# KiCad board rabbit_mask_capacitors_right.kicad_pcb (continued)
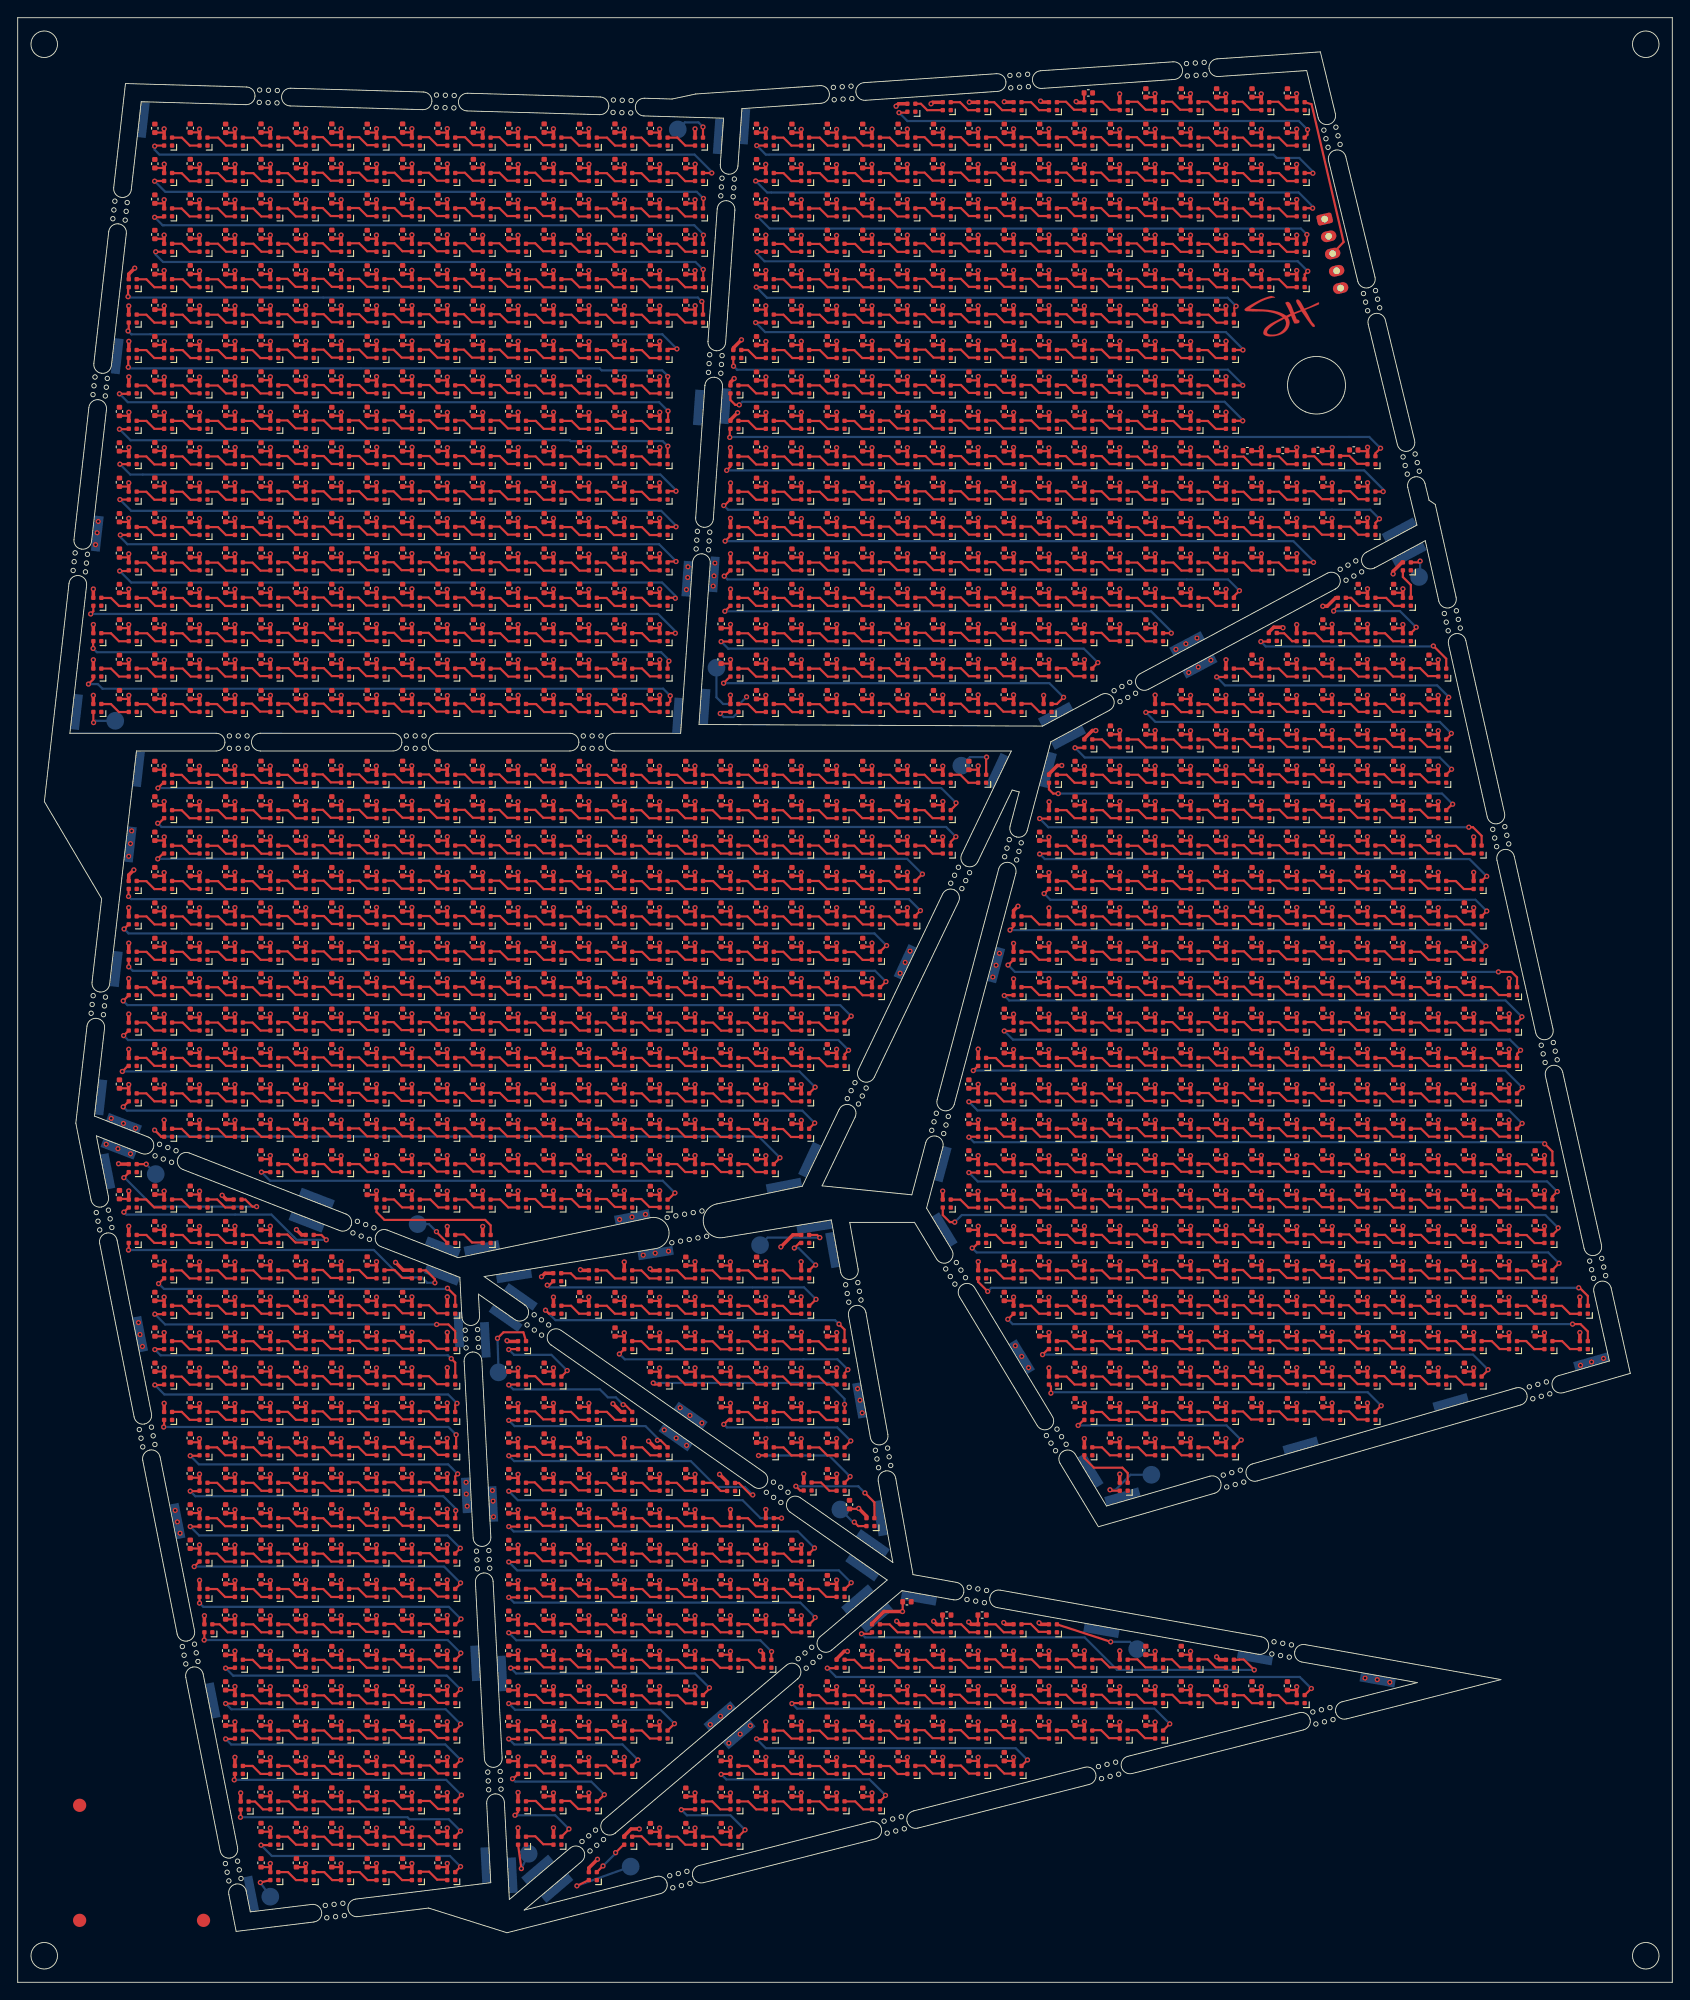
[diagram p0: board, top side]
## Nets (continued)
GND: C1485.2 C1485#2.2 C1485#3.2 C1485#4.2 C1485#5.2 C1485#6.2 C1485#7.2 C1485#8.2 C1485#9.2 C1485#10.2 C1485#11.2 C1485#12.2 C1485#13.2 C1485#14.2 C1485#15.2 C1485#16.2 C1485#17.2 C1485#18.2 C1485#19.2 C1485#20.2 C1485#21.2 C1485#22.2 C1485#23.2 C1485#24.2 C1485#25.2 C1485#26.2 C1485#27.2 C1485#28.2 C1485#29.2 C1485#30.2 C1485#31.2 C1485#32.2 C1485#33.2 C1485#34.2 C1485#35.2 C1485#36.2 C1485#37.2 C1485#38.2 C1485#39.2 C1485#40.2 C1485#41.2 C1485#42.2 C1485#43.2 C1485#44.2 C1485#45.2 C1485#46.2 C1485#47.2 C1485#48.2 C1485#49.2 C1485#50.2 C1485#51.2 C1485#52.2 C1485#53.2 C1485#54.2 C1485#55.2 C1485#56.2 C1485#57.2 C1485#58.2 C1485#59.2 C1485#60.2 C1485#61.2 C1485#62.2 C1485#63.2 C1485#64.2 C1485#65.2 C1485#66.2 C1485#67.2 C1485#68.2 C1485#69.2 C1485#70.2 C1485#71.2 C1485#72.2 C1485#73.2 C1485#74.2 C1485#75.2 C1485#76.2 C1485#77.2 C1485#78.2 C1485#79.2 C1485#80.2 C1485#81.2 C1485#82.2 C1485#83.2 C1485#84.2 C1485#85.2 C1485#86.2 C1485#87.2 C1485#88.2 C1485#89.2 C1485#90.2 C1485#91.2 C1485#92.2 C1485#93.2 C1485#94.2 C1485#95.2 C1485#96.2 C1485#97.2 C1485#98.2 C1485#99.2 C1485#100.2 C1485#101.2 C1485#102.2 C1485#103.2 C1485#104.2 C1485#105.2 C1485#106.2 C1485#107.2 C1485#108.2 C1485#109.2 C1485#110.2 C1485#111.2 C1485#112.2 C1485#113.2 C1485#114.2 C1485#115.2 C1485#116.2 C1485#117.2 C1485#118.2 C1485#119.2 C1485#120.2 C1485#121.2 C1485#122.2 C1485#123.2 C1485#124.2 C1485#125.2 C1485#126.2 C1485#127.2 C1485#128.2 C1485#129.2 C1485#130.2 C1485#131.2 C1485#132.2 C1485#133.2 C1485#134.2 C1485#135.2 C1485#136.2 C1485#137.2 C1485#138.2 C1485#139.2 C1485#140.2 C1485#141.2 C1485#142.2 C1485#143.2 C1485#144.2 C1485#145.2 C1485#146.2 C1485#147.2 C1485#148.2 C1485#149.2 C1485#150.2 C1485#151.2 C1485#152.2 C1485#153.2 C1485#154.2 C1485#155.2 C1485#156.2 C1485#157.2 C1485#158.2 C1485#159.2 C1485#160.2 C1485#161.2 C1485#162.2 C1485#163.2 C1485#164.2 C1485#165.2 C1485#166.2 C1485#167.2 C1485#168.2 C1485#169.2 C1485#170.2 C1485#171.2 C1485#172.2 C1485#173.2 C1485#174.2 C1485#175.2 C1485#176.2 C1485#177.2 C1485#178.2 C1485#179.2 C1485#180.2 C1485#181.2 C1485#182.2 C1485#183.2 C1485#184.2 C1485#185.2 C1485#186.2 C1485#187.2 C1485#188.2 C1485#189.2 C1485#190.2 C1485#191.2 C1485#192.2 C1485#193.2 C1485#194.2 C1485#195.2 C1485#196.2 C1485#197.2 C1485#198.2 C1485#199.2 C1485#200.2 C1485#201.2 C1485#202.2 C1485#203.2 C1485#204.2 C1485#205.2 C1485#206.2 C1485#207.2 C1485#208.2 C1485#209.2 C1485#210.2 C1485#211.2 C1485#212.2 C1485#213.2 C1485#214.2 C1485#215.2 C1485#216.2 C1485#217.2 C1485#218.2 C1485#219.2 C1485#220.2 C1485#221.2 C1485#222.2 C1485#223.2 C1485#224.2 C1485#225.2 C1485#226.2 C1485#227.2 C1485#228.2 C1485#229.2 C1485#230.2 C1485#231.2 C1485#232.2 C1485#233.2 C1485#234.2 C1485#235.2 C1485#236.2 C1485#237.2 C1485#238.2 C1485#239.2 C1485#240.2 C1485#241.2 C1485#242.2 C1485#243.2 C1485#244.2 C1485#245.2 C1485#246.2 C1485#247.2 C1485#248.2 C1485#249.2 C1485#250.2 C1485#251.2 C1485#252.2 C1485#253.2 C1485#254.2 C1485#255.2 C1485#256.2 C1485#257.2 C1485#258.2 C1485#259.2 C1485#260.2 C1485#261.2 C1485#262.2 C1485#263.2 C1485#264.2 C1485#265.2 C1485#266.2 C1485#267.2 C1485#268.2 C1485#269.2 C1485#270.2 C1485#271.2 C1485#272.2 C1485#273.2 C1485#274.2 C1485#275.2 C1485#276.2 C1485#277.2 C1485#278.2 C1485#279.2 C1485#280.2 C1485#281.2 C1485#282.2 C1485#283.2 C1485#284.2 C1485#285.2 C1485#286.2 C1485#287.2 C1485#288.2 C1485#289.2 C1485#290.2 C1485#291.2 C1485#292.2 C1485#293.2 C1485#294.2 C1485#295.2 C1485#296.2 C1485#297.2 C1485#298.2 C1485#299.2 C1485#300.2 C1485#301.2 C1485#302.2 C1485#303.2 C1485#304.2 C1485#305.2 C1485#306.2 C1485#307.2 C1485#308.2 C1485#309.2 C1485#310.2 C1485#311.2 C1485#312.2 C1485#313.2 C1485#314.2 C1485#315.2 C1485#316.2 C1485#317.2 C1485#318.2 C1485#319.2 C1485#320.2 C1485#321.2 C1485#322.2 C1485#323.2 C1485#324.2 C1485#325.2 C1485#326.2 C1485#327.2 C1485#328.2 C1485#329.2 C1485#330.2 C1485#331.2 C1485#332.2 C1485#333.2 C1485#334.2 C1485#335.2 C1485#336.2 C1485#337.2 C1485#338.2 C1485#339.2 C1485#340.2 C1485#341.2 C1485#342.2 C1485#343.2 C1485#344.2 C1485#345.2 C1485#346.2 C1485#347.2 C1485#348.2 C1485#349.2 C1485#350.2 C1485#351.2 C1485#352.2 C1485#353.2 C1485#354.2 C1485#355.2 C1485#356.2 C1485#357.2 C1485#358.2 C1485#359.2 C1485#360.2 C1485#361.2 C1485#362.2 C1485#363.2 C1485#364.2 C1485#365.2 C1485#366.2 C1485#367.2 C1485#368.2 C1485#369.2 C1485#370.2 C1485#371.2 C1485#372.2 C1485#373.2 C1485#374.2 C1485#375.2 C1485#376.2 C1485#377.2 C1485#378.2 C1485#379.2 C1485#380.2 C1485#381.2 C1485#382.2 C1485#383.2 C1485#384.2 C1485#385.2 C1485#386.2 C1485#387.2 C1485#388.2 C1485#389.2 C1485#390.2 C1485#391.2 C1485#392.2 C1485#393.2 C1485#394.2 C1485#395.2 C1485#396.2 C1485#397.2 C1485#398.2 C1485#399.2 C1485#400.2 C1485#401.2 C1485#402.2 C1485#403.2 C1485#404.2 C1485#405.2 C1485#406.2 C1485#407.2 C1485#408.2 C1485#409.2 C1485#410.2 C1485#411.2 C1485#412.2 C1485#413.2 C1485#414.2 C1485#415.2 C1485#416.2 C1485#417.2 C1485#418.2 C1485#419.2 C1485#420.2 C1485#421.2 C1485#422.2 C1485#423.2 C1485#424.2 C1485#425.2 C1485#426.2 C1485#427.2 C1485#428.2 C1485#429.2 C1485#430.2 C1485#431.2 C1485#432.2 C1485#433.2 C1485#434.2 C1485#435.2 C1485#436.2 C1485#437.2 C1485#438.2 C1485#439.2 C1485#440.2 C1485#441.2 C1485#442.2 C1485#443.2 C1485#444.2 C1485#445.2 C1485#446.2 C1485#447.2 C1485#448.2 C1485#449.2 C1485#450.2 C1485#451.2 C1485#452.2 C1485#453.2 C1485#454.2 C1485#455.2 C1485#456.2 C1485#457.2 C1485#458.2 C1485#459.2 C1485#460.2 C1485#461.2 C1485#462.2 C1485#463.2 C1485#464.2 C1485#465.2 C1485#466.2 C1485#467.2 C1485#468.2 C1485#469.2 C1485#470.2 C1485#471.2 C1485#472.2 C1485#473.2 C1485#474.2 C1485#475.2 C1485#476.2 C1485#477.2 C1485#478.2 C1485#479.2 C1485#480.2 C1485#481.2 C1485#482.2 C1485#483.2 C1485#484.2 C1485#485.2 C1485#486.2 C1485#487.2 C1485#488.2 C1485#489.2 C1485#490.2 C1485#491.2 C1485#492.2 C1485#493.2 C1485#494.2 C1485#495.2 C1485#496.2 C1485#497.2 C1485#498.2 C1485#499.2 C1485#500.2 C1485#501.2 C1485#502.2 C1485#503.2 C1485#504.2 C1485#505.2 C1485#506.2 C1485#507.2 C1485#508.2 C1485#509.2 C1485#510.2 C1485#511.2 C1485#512.2 C1485#513.2 C1485#514.2 C1485#515.2 C1485#516.2 C1485#517.2 C1485#518.2 C1485#519.2 C1485#520.2 C1485#521.2 C1485#522.2 C1485#523.2 C1485#524.2 C1485#525.2 C1485#526.2 C1485#527.2 C1485#528.2 C1485#529.2 C1485#530.2 C1485#531.2 C1485#532.2 C1485#533.2 C1485#534.2 C1485#535.2 C1485#536.2 C1485#537.2 C1485#538.2 C1485#539.2 C1485#540.2 C1485#541.2 C1485#542.2 C1485#543.2 C1485#544.2 C1485#545.2 C1485#546.2 C1485#547.2 C1485#548.2 C1485#549.2 C1485#550.2 C1485#551.2 C1485#552.2 C1485#553.2 C1485#554.2 C1485#555.2 C1485#556.2 C1485#557.2 C1485#558.2 C1485#559.2 C1485#560.2 C1485#561.2 C1485#562.2 C1485#563.2 C1485#564.2 C1485#565.2 C1485#566.2 C1485#567.2 C1485#568.2 C1485#569.2 C1485#570.2 C1485#571.2 C1485#572.2 C1485#573.2 C1485#574.2 C1485#575.2 C1485#576.2 C1485#577.2 C1485#578.2 C1485#579.2 C1485#580.2 C1485#581.2 C1485#582.2 C1485#583.2 C1485#584.2 C1485#585.2 C1485#586.2 C1485#587.2 C1485#588.2 C1485#589.2 C1485#590.2 C1485#591.2 C1485#592.2 C1485#593.2 C1485#594.2 C1485#595.2 C1485#596.2 C1485#597.2 C1485#598.2 C1485#599.2 C1485#600.2 C1485#601.2 C1485#602.2 C1485#603.2 C1485#604.2 C1485#605.2 C1485#606.2 C1485#607.2 C1485#608.2 C1485#609.2 C1485#610.2 C1485#611.2 C1485#612.2 C1485#613.2 C1485#614.2 C1485#615.2 C1485#616.2 C1485#617.2 C1485#618.2 C1485#619.2 C1485#620.2 C1485#621.2 C1485#622.2 C1485#623.2 C1485#624.2 C1485#625.2 C1485#626.2 C1485#627.2 C1485#628.2 C1485#629.2 C1485#630.2 C1485#631.2 C1485#632.2 C1485#633.2 C1485#634.2 C1485#635.2 C1485#636.2 C1485#637.2 C1485#638.2 C1485#639.2 C1485#640.2 C1485#641.2 C1485#642.2 C1485#643.2 C1485#644.2 C1485#645.2 C1485#646.2 C1485#647.2 C1485#648.2 C1485#649.2 C1485#650.2 C1485#651.2 C1485#652.2 C1485#653.2 C1485#654.2 C1485#655.2 C1485#656.2 C1485#657.2 C1485#658.2 C1485#659.2 C1485#660.2 C1485#661.2 C1485#662.2 C1485#663.2 C1485#664.2 C1485#665.2 C1485#666.2 C1485#667.2 C1485#668.2 C1485#669.2 C1485#670.2 C1485#671.2 C1485#672.2 C1485#673.2 C1485#674.2 C1485#675.2 C1485#676.2 C1485#677.2 C1485#678.2 C1485#679.2 C1485#680.2 C1485#681.2 C1485#682.2 C1485#683.2 C1485#684.2 C1485#685.2 C1485#686.2 C1485#687.2 C1485#688.2 C1485#689.2 C1485#690.2 C1485#691.2 C1485#692.2 C1485#693.2 C1485#694.2 C1485#695.2 C1485#696.2 C1485#697.2 C1485#698.2 C1485#699.2 C1485#700.2 C1485#701.2 C1485#702.2 C1485#703.2 C1485#704.2 C1485#705.2 C1485#706.2 C1485#707.2 C1485#708.2 C1485#709.2 C1485#710.2 C1485#711.2 C1485#712.2 C1485#713.2 C1485#714.2 C1485#715.2 C1485#716.2 C1485#717.2 C1485#718.2 C1485#719.2 C1485#720.2 C1485#721.2 C1485#722.2 C1485#723.2 C1485#724.2 C1485#725.2 C1485#726.2 C1485#727.2 C1485#728.2 C1485#729.2 C1485#730.2 C1485#731.2 C1485#732.2 C1485#733.2 C1485#734.2 C1485#735.2 C1485#736.2 C1485#737.2 C1485#738.2 C1485#739.2 C1485#740.2 C1485#741.2 C1485#742.2 C1485#743.2 C1485#744.2 C1485#745.2 C1485#746.2 C1485#747.2 C1485#748.2 C1485#749.2 C1485#750.2 C1485#751.2 C1485#752.2 C1485#753.2 C1485#754.2 C1485#755.2 C1485#756.2 C1485#757.2 C1485#758.2 C1485#759.2 C1485#760.2 C1485#761.2 C1485#762.2 C1485#763.2 C1485#764.2 C1485#765.2 C1485#766.2 C1485#767.2 C1485#768.2 C1485#769.2 C1485#770.2 C1485#771.2 C1485#772.2 C1485#773.2 C1485#774.2 C1485#775.2 C1485#776.2 C1485#777.2 C1485#778.2 C1485#779.2 C1485#780.2 C1485#781.2 C1485#782.2 C1485#783.2 C1485#784.2 C1485#785.2 C1485#786.2 C1485#787.2 C1485#788.2 C1485#789.2 C1485#790.2 C1485#791.2 C1485#792.2 C1485#793.2 C1485#794.2 C1485#795.2 C1485#796.2 C1485#797.2 C1485#798.2 C1485#799.2 C1485#800.2 C1485#801.2 C1485#802.2 C1485#803.2 C1485#804.2 C1485#805.2 C1485#806.2 C1485#807.2 C1485#808.2 C1485#809.2 C1485#810.2 C1485#811.2 C1485#812.2 C1485#813.2 C1485#814.2 C1485#815.2 C1485#816.2 C1485#817.2 C1485#818.2 C1485#819.2 C1485#820.2 C1485#821.2 C1485#822.2 C1485#823.2 C1485#824.2 C1485#825.2 C1485#826.2 C1485#827.2 C1485#828.2 C1485#829.2 C1485#830.2 C1485#831.2 C1485#832.2 C1485#833.2 C1485#834.2 C1485#835.2 C1485#836.2 C1485#837.2 C1485#838.2 C1485#839.2 C1485#840.2 C1485#841.2 C1485#842.2 C1485#843.2 C1485#844.2 C1485#845.2 C1485#846.2 C1485#847.2 C1485#848.2 C1485#849.2 C1485#850.2 C1485#851.2 C1485#852.2 C1485#853.2 C1485#854.2 C1485#855.2 C1485#856.2 C1485#857.2 C1485#858.2 C1485#859.2 C1485#860.2 C1485#861.2 C1485#862.2 C1485#863.2 C1485#864.2 C1485#865.2 C1485#866.2 C1485#867.2 C1485#868.2 C1485#869.2 C1485#870.2 C1485#871.2 C1485#872.2 C1485#873.2 C1485#874.2 C1485#875.2 C1485#876.2 C1485#877.2 C1485#878.2 C1485#879.2 C1485#880.2 C1485#881.2 C1485#882.2 C1485#883.2 C1485#884.2 C1485#885.2 C1485#886.2 C1485#887.2 C1485#888.2 C1485#889.2 C1485#890.2 C1485#891.2 C1485#892.2 C1485#893.2 C1485#894.2 C1485#895.2 C1485#896.2 C1485#897.2 C1485#898.2 C1485#899.2 C1485#900.2 C1485#901.2 C1485#902.2 C1485#903.2 C1485#904.2 C1485#905.2 C1485#906.2 C1485#907.2 C1485#908.2 C1485#909.2 C1485#910.2 C1485#911.2 C1485#912.2 C1485#913.2 C1485#914.2 C1485#915.2 C1485#916.2 C1485#917.2 C1485#918.2 C1485#919.2 C1485#920.2 C1485#921.2 C1485#922.2 C1485#923.2 C1485#924.2 C1485#925.2 C1485#926.2 C1485#927.2 C1485#928.2 C1485#929.2 C1485#930.2 C1485#931.2 C1485#932.2 C1485#933.2 C1485#934.2 C1485#935.2 C1485#936.2 C1485#937.2 C1485#938.2 C1485#939.2 C1485#940.2 C1485#941.2 C1485#942.2 C1485#943.2 C1485#944.2 C1485#945.2 C1485#946.2 C1485#947.2 C1485#948.2 C1485#949.2 C1485#950.2 C1485#951.2 C1485#952.2 C1485#953.2 C1485#954.2 C1485#955.2 C1485#956.2 C1485#957.2 C1485#958.2 C1485#959.2 C1485#960.2 C1485#961.2 C1485#962.2 C1485#963.2 C1485#964.2 C1485#965.2 C1485#966.2 C1485#967.2 C1485#968.2 C1485#969.2 C1485#970.2 C1485#971.2 C1485#972.2 C1485#973.2 C1485#974.2 C1485#975.2 C1485#976.2 C1485#977.2 C1485#978.2 C1485#979.2 C1485#980.2 C1485#981.2 C1485#982.2 C1485#983.2 C1485#984.2 C1485#985.2 C1485#986.2 C1485#987.2 C1485#988.2 C1485#989.2 C1485#990.2 C1485#991.2 C1485#992.2 C1485#993.2 C1485#994.2 C1485#995.2 C1485#996.2 C1485#997.2 C1485#998.2 C1485#999.2 C1485#1000.2 C1485#1001.2 C1485#1002.2 C1485#1003.2 C1485#1004.2 C1485#1005.2 C1485#1006.2 C1485#1007.2 C1485#1008.2 C1485#1009.2 C1485#1010.2 C1485#1011.2 C1485#1012.2 C1485#1013.2 C1485#1014.2 C1485#1015.2 C1485#1016.2 C1485#1017.2 C1485#1018.2 C1485#1019.2 C1485#1020.2 C1485#1021.2 C1485#1022.2 C1485#1023.2 C1485#1024.2 C1485#1025.2 C1485#1026.2 C1485#1027.2 C1485#1028.2 C1485#1029.2 C1485#1030.2 C1485#1031.2 C1485#1032.2 C1485#1033.2 C1485#1034.2 C1485#1035.2 C1485#1036.2 C1485#1037.2 C1485#1038.2 C1485#1039.2 C1485#1040.2 C1485#1041.2 C1485#1042.2 C1485#1043.2 C1485#1044.2 C1485#1045.2 C1485#1046.2 C1485#1047.2 C1485#1048.2 C1485#1049.2 C1485#1050.2 C1485#1051.2 C1485#1052.2 C1485#1053.2 C1485#1054.2 C1485#1055.2 C1485#1056.2 C1485#1057.2 C1485#1058.2 C1485#1059.2 C1485#1060.2 C1485#1061.2 C1485#1062.2 C1485#1063.2 C1485#1064.2 C1485#1065.2 C1485#1066.2 C1485#1067.2 C1485#1068.2 C1485#1069.2 C1485#1070.2 C1485#1071.2 C1485#1072.2 C1485#1073.2 C1485#1074.2 C1485#1075.2 C1485#1076.2 C1485#1077.2 C1485#1078.2 C1485#1079.2 C1485#1080.2 C1485#1081.2 C1485#1082.2 C1485#1083.2 C1485#1084.2 C1485#1085.2 C1485#1086.2 C1485#1087.2 C1485#1088.2 C1485#1089.2 C1485#1090.2 C1485#1091.2 C1485#1092.2 C1485#1093.2 C1485#1094.2 C1485#1095.2 C1485#1096.2 C1485#1097.2 C1485#1098.2 C1485#1099.2 C1485#1100.2 C1485#1101.2 C1485#1102.2 C1485#1103.2 C1485#1104.2 C1485#1105.2 C1485#1106.2 C1485#1107.2 C1485#1108.2 C1485#1109.2 C1485#1110.2 C1485#1111.2 C1485#1112.2 C1485#1113.2 C1485#1114.2 C1485#1115.2 C1485#1116.2 C1485#1117.2 C1485#1118.2 C1485#1119.2 C1485#1120.2 C1485#1121.2 C1485#1122.2 C1485#1123.2 C1485#1124.2 C1485#1125.2 C1485#1126.2 C1485#1127.2 C1485#1128.2 C1485#1129.2 C1485#1130.2 C1485#1131.2 C1485#1132.2 C1485#1133.2 C1485#1134.2 C1485#1135.2 C1485#1136.2 C1485#1137.2 C1485#1138.2 C1485#1139.2 C1485#1140.2 C1485#1141.2 C1485#1142.2 C1485#1143.2 C1485#1144.2 C1485#1145.2 C1485#1146.2 C1485#1147.2 C1485#1148.2 C1485#1149.2 C1485#1150.2 C1485#1151.2 C1485#1152.2 C1485#1153.2 C1485#1154.2 C1485#1155.2 C1485#1156.2 C1485#1157.2 C1485#1158.2 C1485#1159.2 C1485#1160.2 C1485#1161.2 C1485#1162.2 C1485#1163.2 C1485#1164.2 C1485#1165.2 C1485#1166.2 C1485#1167.2 C1485#1168.2 C1485#1169.2 C1485#1170.2 C1485#1171.2 C1485#1172.2 C1485#1173.2 C1485#1174.2 C1485#1175.2 C1485#1176.2 C1485#1177.2 C1485#1178.2 C1485#1179.2 C1485#1180.2 C1485#1181.2 C1485#1182.2 C1485#1183.2 C1485#1184.2 C1485#1185.2 C1485#1186.2 C1485#1187.2 C1485#1188.2 C1485#1189.2 C1485#1190.2 C1485#1191.2 C1485#1192.2 C1485#1193.2 C1485#1194.2 C1485#1195.2 C1485#1196.2 C1485#1197.2 C1485#1198.2 C1485#1199.2 C1485#1200.2 C1485#1201.2 C1485#1202.2 C1485#1203.2 C1485#1204.2 C1485#1205.2 C1485#1206.2 C1485#1207.2 C1485#1208.2 C1485#1209.2 C1485#1210.2 C1485#1211.2 C1485#1212.2 C1485#1213.2 C1485#1214.2 C1485#1215.2 C1485#1216.2 C1485#1217.2 C1485#1218.2 C1485#1219.2 C1485#1220.2 C1485#1221.2 C1485#1222.2 C1485#1223.2 C1485#1224.2 C1485#1225.2 C1485#1226.2 C1485#1227.2 C1485#1228.2 C1485#1229.2 C1485#1230.2 C1485#1231.2 C1485#1232.2 C1485#1233.2 C1485#1234.2 C1485#1235.2 C1485#1236.2 C1485#1237.2 C1485#1238.2 C1485#1239.2 C1485#1240.2 C1485#1241.2 C1485#1242.2 C1485#1243.2 C1485#1244.2 C1485#1245.2 C1485#1246.2 C1485#1247.2 C1485#1248.2 C1485#1249.2 C1485#1250.2 C1485#1251.2 C1485#1252.2 C1485#1253.2 C1485#1254.2 C1485#1255.2 C1485#1256.2 C1485#1257.2 C1485#1258.2 C1485#1259.2 C1485#1260.2 C1485#1261.2 C1485#1262.2 C1485#1263.2 C1485#1264.2 C1485#1265.2 C1485#1266.2 C1485#1267.2 C1485#1268.2 C1485#1269.2 C1485#1270.2 C1485#1271.2 C1485#1272.2 C1485#1273.2 C1485#1274.2 C1485#1275.2 C1485#1276.2 C1485#1277.2 C1485#1278.2 C1485#1279.2 C1485#1280.2 C1485#1281.2 C1485#1282.2 C1485#1283.2 C1485#1284.2 C1485#1285.2 C1485#1286.2 C1485#1287.2 C1485#1288.2 C1485#1289.2 C1485#1290.2 C1485#1291.2 C1485#1292.2 C1485#1293.2 C1485#1294.2 C1485#1295.2 C1485#1296.2 C1485#1297.2 C1485#1298.2 C1485#1299.2 C1485#1300.2 C1485#1301.2 C1485#1302.2 C1485#1303.2 C1485#1304.2 C1485#1305.2 C1485#1306.2 C1485#1307.2 C1485#1308.2 C1485#1309.2 C1485#1310.2 C1485#1311.2 C1485#1312.2 C1485#1313.2 C1485#1314.2 C1485#1315.2 C1485#1316.2 C1485#1317.2 C1485#1318.2 C1485#1319.2 C1485#1320.2 C1485#1321.2 C1485#1322.2 C1485#1323.2 C1485#1324.2 C1485#1325.2 C1485#1326.2 C1485#1327.2 C1485#1328.2 C1485#1329.2 C1485#1330.2 C1485#1331.2 C1485#1332.2 C1485#1333.2 C1485#1334.2 C1485#1335.2 C1485#1336.2 C1485#1337.2 C1485#1338.2 C1485#1339.2 C1485#1340.2 C1485#1341.2 C1485#1342.2 C1485#1343.2 C1485#1344.2 C1485#1345.2 C1485#1346.2 C1485#1347.2 C1485#1348.2 C1485#1349.2 C1485#1350.2 C1485#1351.2 C1485#1352.2 C1485#1353.2 C1485#1354.2 C1485#1355.2 C1485#1356.2 C1485#1357.2 C1485#1358.2 C1485#1359.2 C1485#1360.2 C1485#1361.2 C1485#1362.2 C1485#1363.2 C1485#1364.2 C1485#1365.2 C1485#1366.2 C1485#1367.2 C1485#1368.2 C1485#1369.2 C1485#1370.2 C1485#1371.2 C1485#1372.2 C1485#1373.2 C1485#1374.2 C1485#1375.2 C1485#1376.2 C1485#1377.2 C1485#1378.2 C1485#1379.2 D1485.4 D1486.4 D1487.4 D1488.4 D1489.4 D1490.4 D1491.4 D1492.4 D1493.4 D1494.4 D1495.4 D1496.4 D1497.4 D1498.4 D1499.4 D1500.4 D1501.4 D1502.4 D1503.4 D1504.4 D1505.4 D1506.4 D1507.4 D1508.4 D1509.4 D1510.4 D1511.4 D1512.4 D1513.4 D1514.4 D1515.4 D1516.4 D1517.4 D1518.4 D1519.4 D1520.4 D1521.4 D1522.4 D1523.4 D1524.4 D1525.4 D1526.4 D1527.4 D1528.4 D1529.4 D1530.4 D1531.4 D1532.4 D1533.4 D1534.4 D1535.4 D1536.4 D1537.4 D1538.4 D1539.4 D1540.4 D1541.4 D1542.4 D1543.4 D1544.4 D1545.4 D1546.4 D1547.4 D1548.4 D1549.4 D1550.4 D1551.4 D1552.4 D1553.4 D1554.4 D1555.4 D1556.4 D1557.4 D1558.4 D1559.4 D1560.4 D1561.4 D1562.4 D1563.4 D1564.4 D1565.4 D1566.4 D1567.4 D1568.4 D1569.4 D1570.4 D1571.4 D1572.4 D1573.4 D1574.4 D1575.4 D1576.4 D1577.4 D1578.4 D1579.4 D1580.4 D1581.4 D1582.4 D1583.4 D1584.4 D1585.4 D1586.4 D1587.4 D1588.4 D1589.4 D1590.4 D1591.4 D1592.4 D1593.4 D1594.4 D1595.4 D1596.4 D1597.4 D1598.4 D1599.4 D1600.4 D1601.4 D1602.4 D1603.4 D1604.4 D1605.4 D1606.4 D1607.4 D1608.4 D1609.4 D1610.4 D1611.4 D1612.4 D1613.4 D1614.4 D1615.4 D1616.4 D1617.4 D1618.4 D1619.4 D1620.4 D1621.4 D1622.4 D1623.4 D1624.4 D1625.4 D1626.4 D1627.4 D1628.4 D1629.4 D1630.4 D1631.4 D1632.4 D1633.4 D1634.4 D1635.4 D1636.4 D1637.4 D1638.4 D1639.4 D1640.4 D1641.4 D1642.4 D1643.4 D1644.4 D1645.4 D1646.4 D1647.4 D1648.4 D1649.4 D1650.4 D1651.4 D1652.4 D1653.4 D1654.4 D1655.4 D1656.4 D1657.4 D1658.4 D1660.4 D1661.4 D1662.4 D1663.4 D1664.4 D1665.4 D1666.4 D1667.4 D1668.4 D1669.4 D1670.4 D1671.4 D1672.4 D1673.4 D1674.4 D1675.4 D1676.4 D1677.4 D1678.4 D1679.4 D1680.4 D1681.4 D1682.4 D1683.4 D1684.4 D1685.4 D1686.4 D1687.4 D1688.4 D1689.4 D1690.4 D1694.4 D1695.4 D1696.4 D1697.4 D1698.4 D1699.4 D1700.4 D1701.4 D1702.4 D1703.4 D1704.4 D1705.4 D1706.4 D1707.4 D1708.4 D1709.4 D1710.4 D1711.4 D1712.4 D1713.4 D1714.4 D1715.4 D1716.4 D1717.4 D1718.4 D1719.4 D1720.4 D1721.4 D1722.4 D1723.4 D1724.4 D1725.4 D1726.4 D1727.4 D1728.4 D1729.4 D1730.4 D1731.4 D1732.4 D1733.4 D1734.4 D1735.4 D1736.4 D1737.4 D1738.4 D1739.4 D1740.4 D1741.4 D1742.4 D1743.4 D1744.4 D1745.4 D1746.4 D1747.4 D1748.4 D1749.4 D1750.4 D1751.4 D1752.4 D1753.4 D1754.4 D1755.4 D1756.4 D1757.4 D1758.4 D1759.4 D1760.4 D1761.4 D1762.4 D1763.4 D1764.4 D1765.4 D1766.4 D1767.4 D1768.4 D1769.4 D1770.4 D1771.4 D1772.4 D1773.4 D1774.4 D1775.4 D1776.4 D1777.4 D1778.4 D1779.4 D1780.4 D1781.4 D1782.4 D1783.4 D1784.4 D1785.4 D1786.4 D1787.4 D1788.4 D1789.4 D1790.4 D1791.4 D1792.4 D1793.4 D1794.4 D1795.4 D1796.4 D1797.4 D1798.4 D1799.4 D1800.4 D1801.4 D1802.4 D1803.4 D1804.4 D1805.4 D1806.4 D1807.4 D1808.4 D1809.4 D1810.4 D1811.4 D1812.4 D1813.4 D1814.4 D1815.4 D1816.4 D1817.4 D1818.4 D1819.4 D1820.4 D1821.4 D1822.4 D1823.4 D1824.4 D1825.4 D1826.4 D1827.4 D1828.4 D1829.4 D1830.4 D1831.4 D1832.4 D1833.4 D1834.4 D1835.4 D1836.4 D1837.4 D1838.4 D1839.4 D1840.4 D1841.4 D1842.4 D1843.4 D1844.4 D1845.4 D1846.4 D1847.4 D1848.4 D1849.4 D1850.4 D1851.4 D1852.4 D1853.4 D1854.4 D1855.4 D1856.4 D1857.4 D1858.4 D1859.4 D1860.4 D1861.4 D1862.4 D1863.4 D1864.4 D1865.4 D1866.4 D1867.4 D1868.4 D1869.4 D1870.4 D1871.4 D1872.4 D1873.4 D1874.4 D1875.4 D1876.4 D1877.4 D1878.4 D1879.4 D1880.4 D1881.4 D1882.4 D1883.4 D1884.4 D1885.4 D1886.4 D1887.4 D1888.4 D1889.4 D1890.4 D1891.4 D1892.4 D1893.4 D1894.4 D1895.4 D1896.4 D1897.4 D1898.4 D1899.4 D1900.4 D1901.4 D1902.4 D1903.4 D1904.4 D1905.4 D1906.4 D1907.4 D1908.4 D1909.4 D1910.4 D1911.4 D1912.4 D1913.4 D1914.4 D1915.4 D1916.4 D1917.4 D1918.4 D1919.4 D1920.4 D1921.4 D1922.4 D1923.4 D1924.4 D1925.4 D1926.4 D1927.4 D1928.4 D1929.4 D1930.4 D1931.4 D1932.4 D1933.4 D1934.4 D1935.4 D1936.4 D1937.4 D1938.4 D1939.4 D1940.4 D1941.4 D1942.4 D1943.4 D1944.4 D1945.4 D1946.4 D1947.4 D1948.4 D1949.4 D1950.4 D1951.4 D1952.4 D1953.4 D1954.4 D1955.4 D1956.4 D1957.4 D1958.4 D1959.4 D1960.4 D1961.4 D1962.4 D1963.4 D1964.4 D1965.4 D1966.4 D1967.4 D1968.4 D1969.4 D1970.4 D1971.4 D1972.4 D1973.4 D1974.4 D1975.4 D1976.4 D1977.4 D1978.4 D1979.4 D1980.4 D1981.4 D1982.4 D1983.4 D1984.4 D1985.4 D1986.4 D1987.4 D1988.4 D1989.4 D1990.4 D1991.4 D1992.4 D1993.4 D1994.4 D1995.4 D1996.4 D1997.4 D1998.4 D1999.4 D2000.4 D2001.4 D2002.4 D2003.4 D2004.4 D2005.4 D2006.4 D2007.4 D2008.4 D2009.4 D2010.4 D2011.4 D2012.4 D2013.4 D2014.4 D2015.4 D2016.4 D2017.4 D2018.4 D2019.4 D2020.4 D2021.4 D2022.4 D2023.4 D2024.4 D2025.4 D2026.4 D2027.4 D2028.4 D2029.4 D2030.4 D2031.4 D2032.4 D2033.4 D2034.4 D2035.4 D2036.4 D2037.4 D2038.4 D2039.4 D2040.4 D2041.4 D2042.4 D2043.4 D2044.4 D2045.4 D2046.4 D2047.4 D2048.4 D2049.4 D2050.4 D2051.4 D2052.4 D2053.4 D2054.4 D2055.4 D2056.4 D2057.4 D2058.4 D2059.4 D2060.4 D2061.4 D2062.4 D2063.4 D2064.4 D2065.4 D2066.4 D2067.4 D2068.4 D2069.4 D2070.4 D2071.4 D2072.4 D2073.4 D2074.4 D2075.4 D2076.4 D2077.4 D2078.4 D2079.4 D2080.4 D2081.4 D2082.4 D2083.4 D2084.4 D2085.4 D2086.4 D2087.4 D2088.4 D2089.4 D2090.4 D2091.4 D2092.4 D2093.4 D2094.4 D2095.4 D2096.4 D2097.4 D2098.4 D2099.4 D2100.4 D2101.4 D2102.4 D2103.4 D2104.4 D2105.4 D2106.4 D2107.4 D2108.4 D2109.4 D2110.4 D2111.4 D2112.4 D2113.4 D2114.4 D2115.4 D2116.4 D2117.4 D2118.4 D2119.4 D2120.4 D2121.4 D2122.4 D2123.4 D2124.4 D2125.4 D2126.4 D2127.4 D2128.4 D2129.4 D2130.4 D2131.4 D2132.4 D2133.4 D2134.4 D2135.4 D2136.4 D2137.4 D2138.4 D2139.4 D2140.4 D2141.4 D2142.4 D2143.4 D2144.4 D2145.4 D2146.4 D2147.4 D2148.4 D2149.4 D2150.4 D2151.4 D2152.4 D2153.4 D2154.4 D2155.4 D2156.4 D2157.4 D2158.4 D2159.4 D2160.4 D2161.4 D2162.4 D2163.4 D2164.4 D2165.4 D2166.4 D2167.4 D2168.4 D2169.4 D2170.4 D2171.4 D2172.4 D2173.4 D2174.4 D2175.4 D2176.4 D2177.4 D2178.4 D2179.4 D2180.4 D2181.4 D2182.4 D2183.4 D2184.4 D2185.4 D2186.4 D2187.4 D2188.4 D2189.4 D2190.4 D2191.4 D2192.4 D2193.4 D2194.4 D2195.4 D2196.4 D2197.4 D2198.4 D2199.4 D2200.4 D2201.4 D2202.4 D2203.4 D2204.4 D2205.4 D2206.4 D2207.4 D2208.4 D2209.4 D2210.4 D2211.4 D2212.4 D2213.4 D2214.4 D2215.4 D2216.4 D2217.4 D2218.4 D2219.4 D2220.4 D2221.4 D2222.4 D2223.4 D2224.4 D2225.4 D2226.4 D2227.4 D2228.4 D2229.4 D2230.4 D2231.4 D2232.4 D2233.4 D2234.4 D2235.4 D2236.4 D2237.4 D2238.4 D2239.4 D2240.4 D2241.4 D2242.4 D2243.4 D2244.4 D2245.4 D2246.4 D2247.4 D2248.4 D2249.4 D2250.4 D2251.4 D2252.4 D2253.4 D2254.4 D2255.4 D2256.4 D2257.4 D2258.4 D2259.4 D2260.4 D2261.4 D2262.4 D2263.4 D2264.4 D2265.4 D2266.4 D2267.4 D2268.4 D2269.4 D2270.4 D2271.4 D2272.4 D2273.4 D2274.4 D2275.4 D2276.4 D2277.4 D2278.4 D2279.4 D2280.4 D2281.4 D2282.4 D2283.4 D2284.4 D2285.4 D2286.4 D2287.4 D2288.4 D2289.4 D2290.4 D2291.4 D2292.4 D2293.4 D2294.4 D2295.4 D2296.4 D2297.4 D2298.4 D2299.4 D2300.4 D2301.4 D2302.4 D2303.4 D2304.4 D2305.4 D2306.4 D2307.4 D2308.4 D2309.4 D2310.4 D2311.4 D2312.4 D2313.4 D2314.4 D2315.4 D2316.4 D2317.4 D2318.4 D2319.4 D2320.4 D2321.4 D2322.4 D2323.4 D2324.4 D2325.4 D2326.4 D2327.4 D2328.4 D2329.4 D2330.4 D2331.4 D2332.4 D2333.4 D2334.4 D2335.4 D2336.4 D2337.4 D2338.4 D2339.4 D2340.4 D2341.4 D2342.4 D2343.4 D2344.4 D2345.4 D2346.4 D2347.4 D2348.4 D2349.4 D2350.4 D2351.4 D2352.4 D2353.4 D2354.4 D2355.4 D2356.4 D2357.4 D2358.4 D2359.4 D2360.4 D2361.4 D2362.4 D2363.4 D2364.4 D2365.4 D2366.4 D2367.4 D2368.4 D2369.4 D2370.4 D2371.4 D2372.4 D2373.4 D2374.4 D2375.4 D2376.4 D2377.4 D2378.4 D2379.4 D2380.4 D2381.4 D2382.4 D2383.4 D2384.4 D2385.4 D2386.4 D2387.4 D2388.4 D2389.4 D2390.4 D2391.4 D2392.4 D2393.4 D2394.4 D2395.4 D2396.4 D2397.4 D2398.4 D2399.4 D2400.4 D2401.4 D2402.4 D2403.4 D2404.4 D2405.4 D2406.4 D2407.4 D2408.4 D2409.4 D2410.4 D2411.4 D2412.4 D2413.4 D2414.4 D2415.4 D2416.4 D2417.4 D2418.4 D2419.4 D2420.4 D2421.4 D2422.4 D2423.4 D2424.4 D2425.4 D2426.4 D2427.4 D2428.4 D2429.4 D2430.4 D2431.4 D2432.4 D2433.4 D2434.4 D2435.4 D2436.4 D2437.4 D2438.4 D2439.4 D2440.4 D2441.4 D2442.4 D2443.4 D2444.4 D2445.4 D2446.4 D2447.4 D2448.4 D2449.4 D2450.4 D2451.4 D2452.4 D2453.4 D2454.4 D2455.4 D2456.4 D2457.4 D2458.4 D2459.4 D2460.4 D2461.4 D2462.4 D2463.4 D2464.4 D2465.4 D2466.4 D2467.4 D2468.4 D2469.4 D2470.4 D2471.4 D2472.4 D2473.4 D2474.4 D2475.4 D2476.4 D2477.4 D2478.4 D2479.4 D2480.4 D2481.4 D2482.4 D2483.4 D2484.4 D2485.4 D2486.4 D2487.4 D2488.4 D2489.4 D2490.4 D2491.4 D2492.4 D2493.4 D2494.4 D2495.4 D2496.4 D2497.4 D2498.4 D2499.4 D2500.4 D2501.4 D2502.4 D2503.4 D2504.4 D2505.4 D2506.4 D2507.4 D2508.4 D2509.4 D2510.4 D2511.4 D2512.4 D2513.4 D2514.4 D2515.4 D2516.4 D2517.4 D2518.4 D2519.4 D2520.4 D2521.4 D2522.4 D2523.4 D2524.4 D2525.4 D2526.4 D2527.4 D2528.4 D2529.4 D2530.4 D2531.4 D2532.4 D2533.4 D2534.4 D2535.4 D2536.4 D2537.4 D2538.4 D2539.4 D2540.4 D2541.4 D2542.4 D2543.4 D2544.4 D2545.4 D2546.4 D2547.4 D2548.4 D2549.4 D2550.4 D2551.4 D2552.4 D2553.4 D2554.4 D2555.4 D2556.4 D2557.4 D2558.4 D2559.4 D2560.4 D2561.4 D2562.4 D2563.4 D2564.4 D2565.4 D2566.4 D2567.4 D2568.4 D2569.4 D2570.4 D2571.4 D2572.4 D2573.4 D2574.4 D2575.4 D2576.4 D2577.4 D2578.4 D2579.4 D2580.4 D2581.4 D2582.4 D2583.4 D2584.4 D2585.4 D2586.4 D2587.4 D2588.4 D2589.4 D2590.4 D2591.4 D2592.4 D2593.4 D2594.4 D2595.4 D2596.4 D2597.4 D2598.4 D2599.4 D2600.4 D2601.4 D2602.4 D2603.4 D2604.4 D2605.4 D2606.4 D2607.4 D2608.4 D2609.4 D2610.4 D2611.4 D2612.4 D2613.4 D2614.4 D2615.4 D2616.4 D2617.4 D2618.4 D2619.4 D2620.4 D2621.4 D2622.4 D2623.4 D2624.4 D2625.4 D2626.4 D2627.4 D2628.4 D2629.4 D2630.4 D2631.4 D2632.4 D2633.4 D2634.4 D2635.4 D2636.4 D2637.4 D2638.4 D2639.4 D2640.4 D2641.4 D2642.4 D2643.4 D2644.4 D2645.4 D2646.4 D2647.4 D2648.4 D2649.4 D2650.4 D2651.4 D2652.4 D2653.4 D2654.4 D2655.4 D2656.4 D2657.4 D2658.4 D2659.4 D2660.4 D2661.4 D2662.4 D2663.4 D2664.4 D2665.4 D2666.4 D2667.4 D2668.4 D2669.4 D2670.4 D2671.4 D2672.4 D2673.4 D2674.4 D2675.4 D2676.4 D2677.4 D2678.4 D2679.4 D2680.4 D2681.4 D2682.4 D2683.4 D2684.4 D2685.4 D2686.4 D2687.4 D2688.4 D2689.4 D2690.4 D2691.4 D2692.4 D2693.4 D2694.4 D2695.4 D2696.4 D2697.4 D2698.4 D2699.4 D2700.4 D2701.4 D2702.4 D2703.4 D2704.4 D2705.4 D2706.4 D2707.4 D2708.4 D2709.4 D2710.4 D2711.4 D2712.4 D2713.4 D2714.4 D2715.4 D2716.4 D2717.4 D2718.4 D2719.4 D2720.4 D2721.4 D2722.4 D2723.4 D2724.4 D2725.4 D2726.4 D2727.4 D2728.4 D2729.4 D2730.4 D2731.4 D2732.4 D2733.4 D2734.4 D2735.4 D2736.4 D2737.4 D2738.4 D2739.4 D2740.4 D2741.4 D2742.4 D2743.4 D2744.4 D2745.4 D2746.4 D2747.4 D2748.4 D2749.4 D2750.4 D2751.4 D2752.4 D2753.4 D2754.4 D2755.4 D2756.4 D2757.4 D2758.4 D2759.4 D2760.4 D2761.4 D2762.4 D2763.4 D2764.4 D2765.4 D2766.4 D2767.4 D2768.4 D2769.4 D2770.4 D2771.4 D2772.4 D2773.4 D2774.4 D2775.4 D2776.4 D2777.4 D2778.4 D2779.4 D2780.4 D2781.4 D2782.4 D2783.4 D2784.4 D2785.4 D2786.4 D2787.4 D2788.4 D2789.4 D2790.4 D2791.4 D2792.4 D2793.4 D2794.4 D2795.4 D2796.4 D2797.4 D2798.4 D2799.4 D2800.4 D2801.4 D2802.4 D2803.4 D2804.4 D2805.4 D2806.4 D2807.4 D2808.4 D2809.4 D2810.4 D2811.4 D2812.4 D2813.4 D2814.4 D2815.4 D2816.4 D2817.4 D2818.4 D2819.4 D2820.4 D2821.4 D2822.4 D2823.4 D2824.4 D2825.4 D2826.4 D2827.4 D2828.4 D2829.4 D2830.4 D2831.4 D2832.4 D2833.4 D2834.4 D2835.4 D2836.4 D2837.4 D2838.4 D2839.4 D2840.4 D2841.4 D2842.4 D2843.4 D2844.4 D2845.4 D2846.4 D2847.4 D2848.4 D2849.4 D2850.4 D2851.4 D2852.4 D2853.4 D2854.4 D2855.4 D2856.4 D2857.4 D2858.4 D2859.4 D2860.4 D2861.4 D2862.4 D2863.4 D2864.4 D2865.4 D2866.4 D2867.4 D2868.4 D2869.4 D2870.4 D2871.4 D2872.4 D2873.4 D2874.4 D2875.4 D2876.4 D2877.4 D2878.4 D2879.4 D2880.4 D2881.4 D2882.4 D2883.4 D2884.4 D2885.4 D2886.4 D2887.4 D2888.4 D2889.4 D2890.4 D2891.4 D2892.4 D2893.4 D2894.4 D2895.4 D2896.4 D2897.4 D2898.4 D2899.4 D2900.4 D2901.4 D2902.4 D2903.4 D2904.4 D2905.4 D2906.4 D2907.4 D2908.4 D2909.4 D2910.4 D2911.4 D2912.4 D2913.4 D2914.4 D2915.4 D2916.4 D2917.4 D2918.4 D2919.4 D2920.4 D2921.4 D2922.4 D2923.4 D2924.4 D2925.4 D2926.4 D2927.4 D2928.4 D2929.4 D2930.4 D2931.4 D2932.4 D2933.4 D2934.4 D2935.4 D2936.4 D2937.4 D2938.4 D2939.4 D2940.4 D2941.4 D2942.4 D2943.4 D2944.4 D2945.4 D2946.4 D2947.4 D2948.4 D2949.4 D2950.4 D2951.4 D2952.4 D2953.4 D2954.4 D2955.4 D2956.4 D2957.4 D2958.4 D2959.4 D2960.4 D2961.4 D2962.4 D2963.4 D2964.4 D2965.4 D2966.4 D2967.4 D2968.4 J1486.4 J1486.5 J1493.1 J1493#2.1 J1493#3.1 J1493#4.1 J1493#5.1 J1493#6.1 J1493#7.1 J1493#8.1 J1493#9.1 J1493#10.1 J1493#11.1 J1493#12.1 J1493#13.1 J1493#14.1 J1493#15.1 J1493#16.1 J1493#17.1 J1493#18.1 J1493#19.1 J1493#20.1 J1493#21.1 J1493#22.1 J1493#23.1 J1493#24.1
